# Altium PCB Brake Module PCB.PcbDoc (part 1 of 2)
Units mil, origin at the board's own origin, x right, y up, seen from the top; angles counter-clockwise.
Board outline 3490.03 x 3910.03 mil, 4 copper layers (Top Layer, Int1 (GND), Int2 (PWR), Bottom Layer), stack 53.912 mil thick; 134 components, 95 nets, 478 pads, 228 vias.
Unrouted connection lines stored in the file: 3.
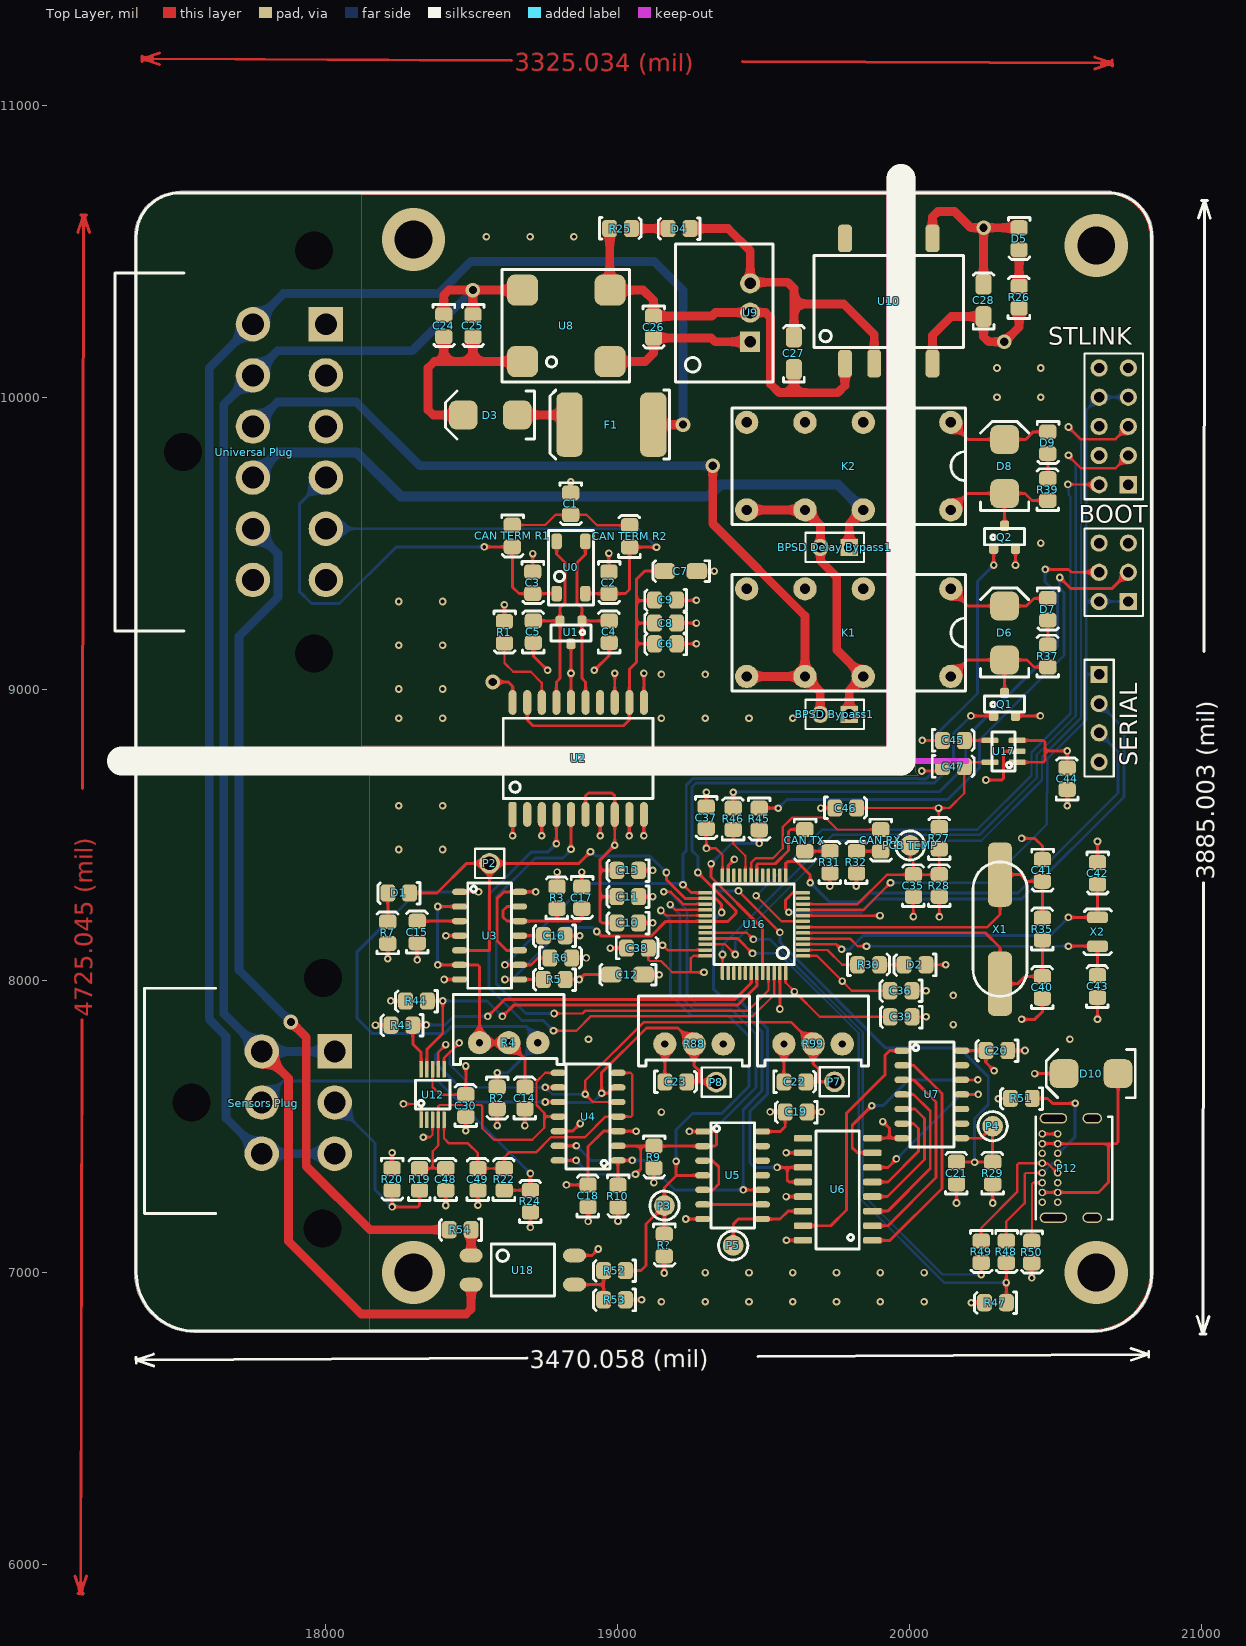
[diagram p0: Top Layer view]
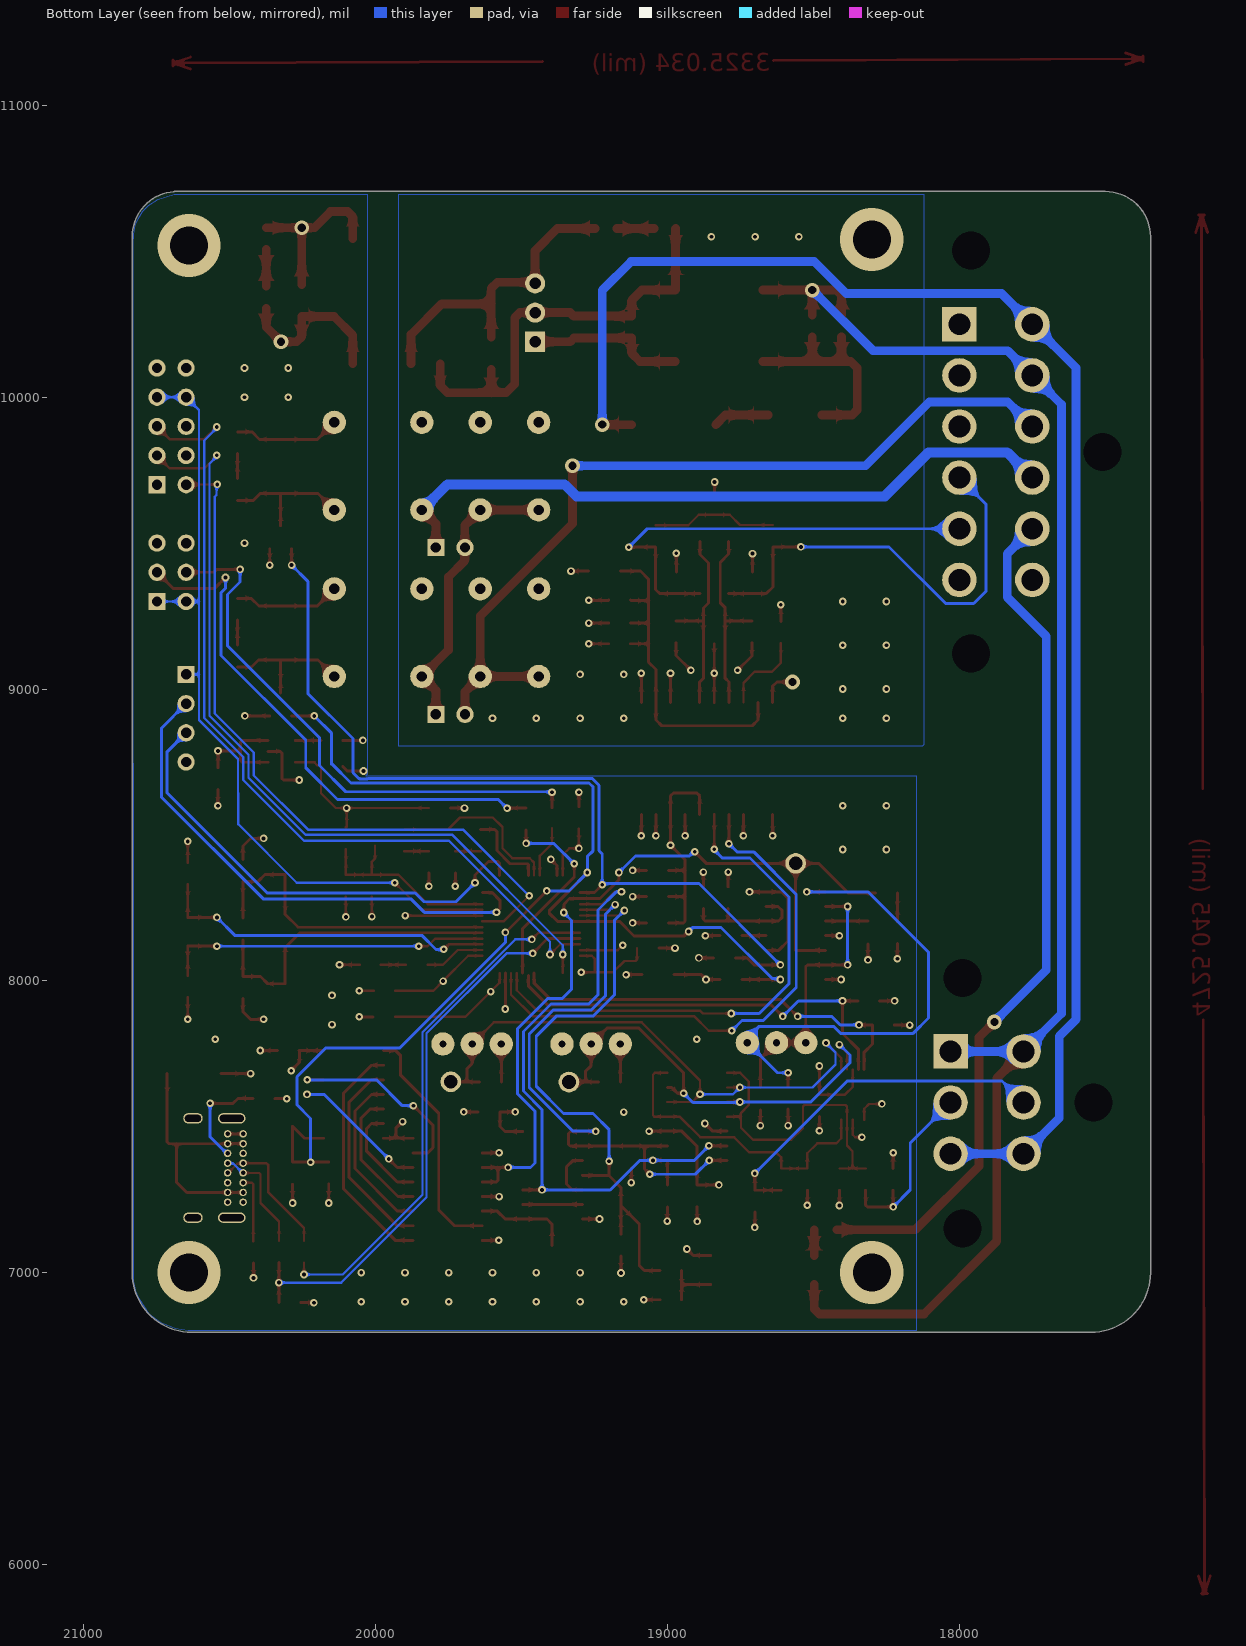
[diagram p1: Bottom Layer view, seen from below]
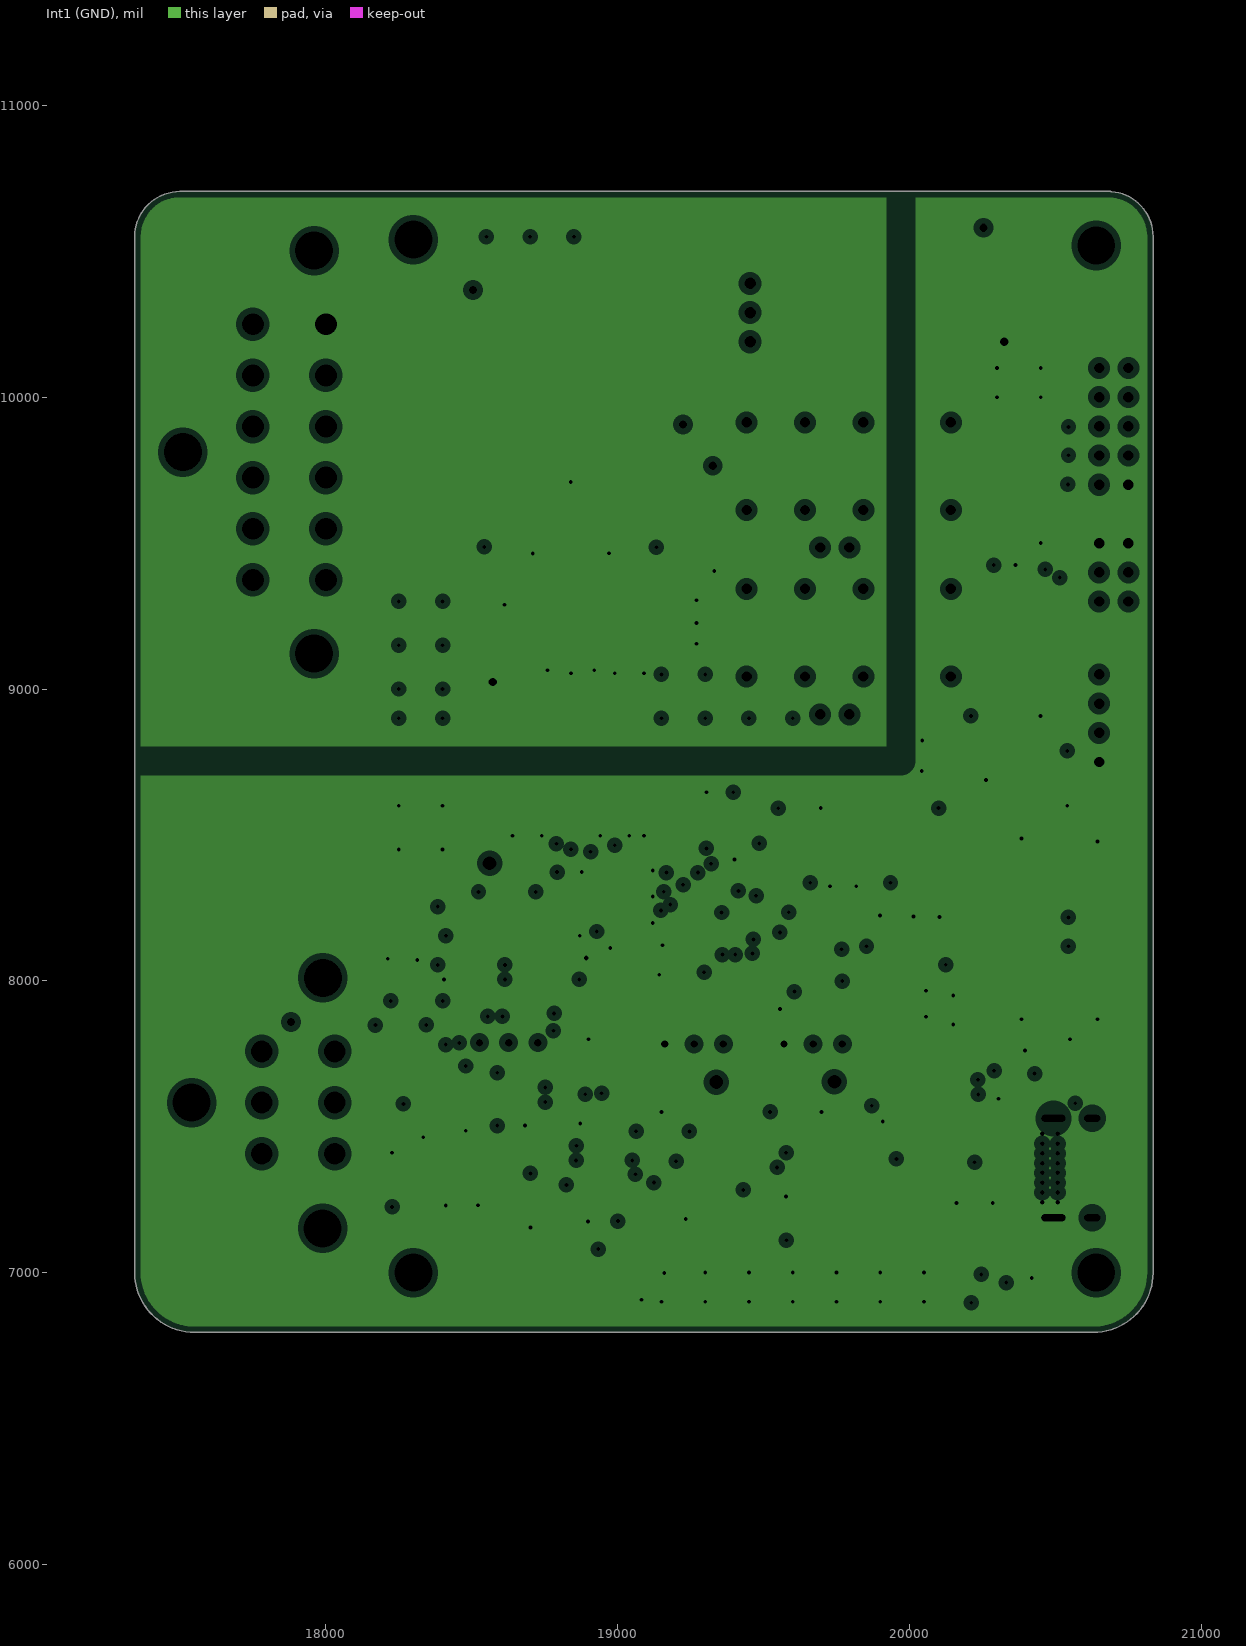
[diagram p2: Int1 (GND), clearances drawn from the general rule]
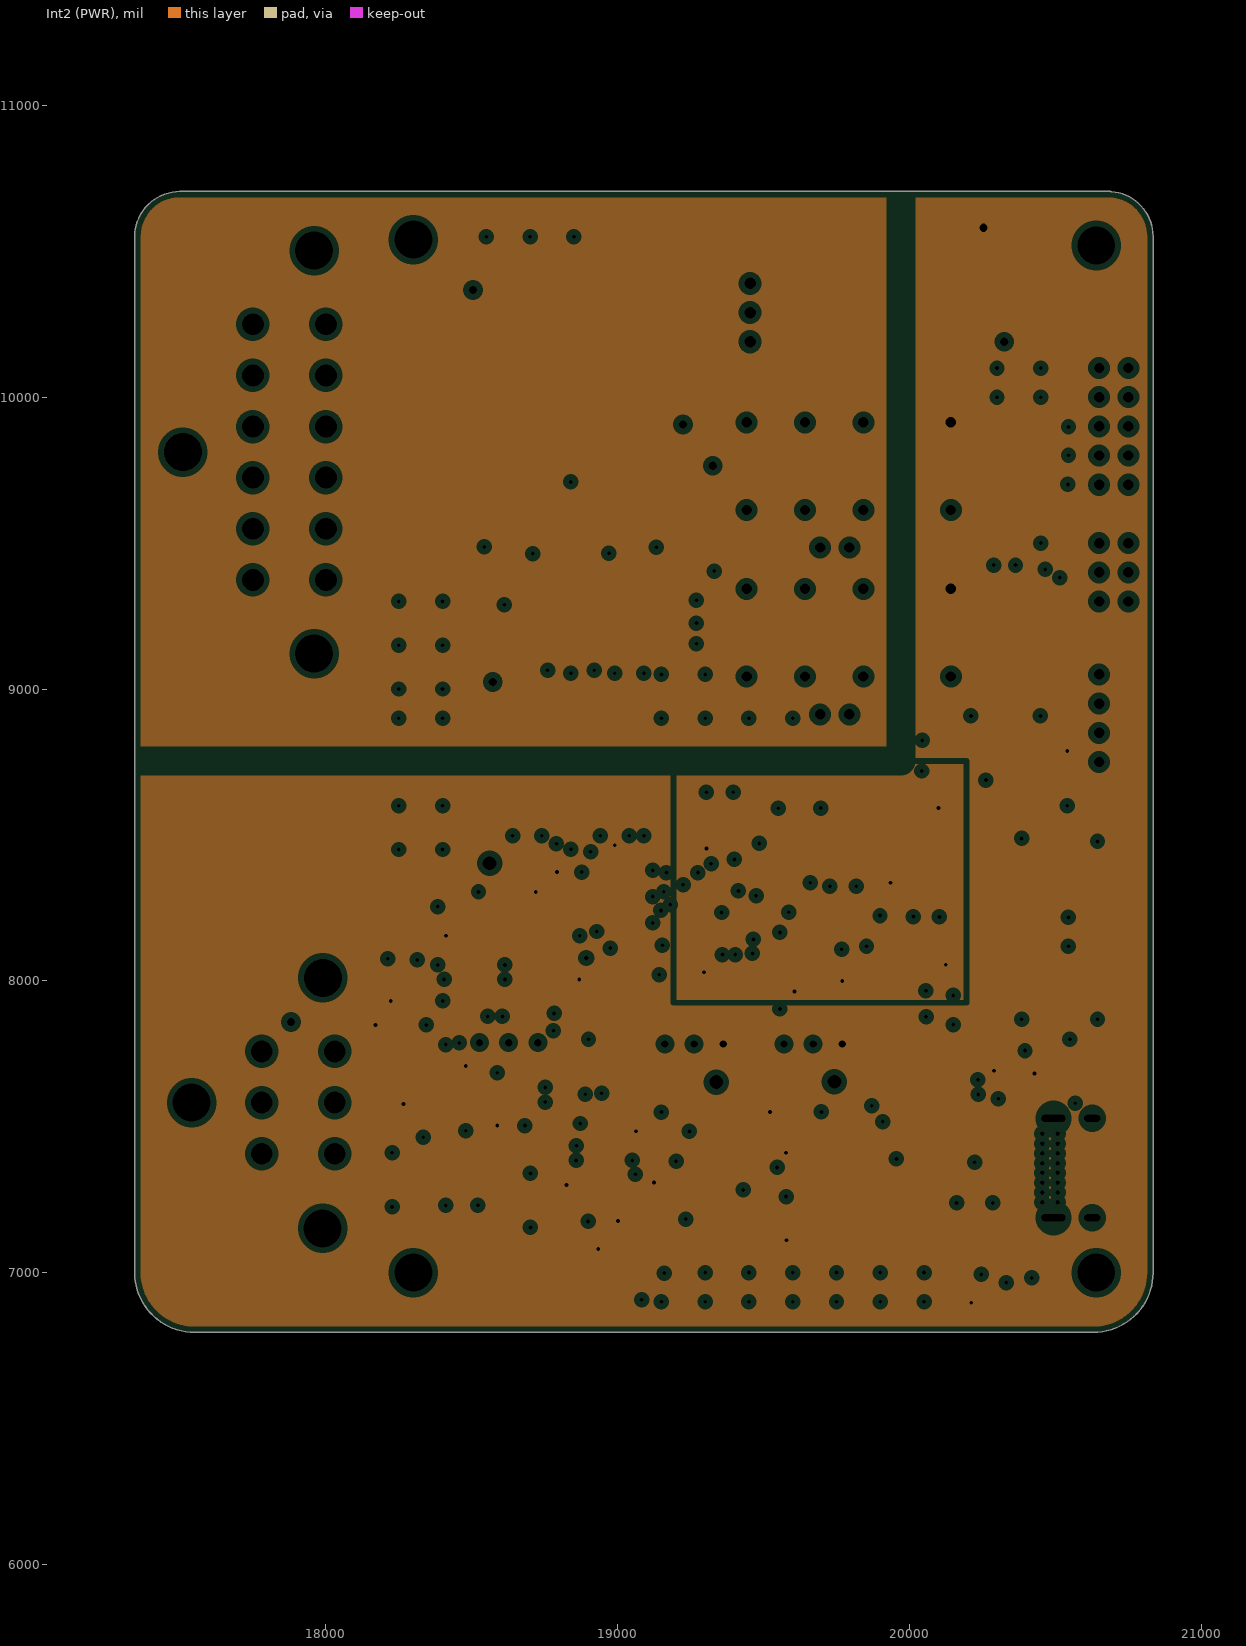
[diagram p3: Int2 (PWR), clearances drawn from the general rule]

## Layer stack, top to bottom
Top Solder: solder mask 1, SM-001, Dk 4
Top Layer: signal copper 1.378
Dielectric 1: prepreg 5.1, PP-017, Dk 4.3
Dielectric 2: prepreg 5.1, PP-017, Dk 4.3
Int1 (GND): plane copper 1.378, net (Multiple Nets)
Dielectric 3: core 28, Core-039, Dk 4.8
Int2 (PWR): plane copper 1.378, net (Multiple Nets)
Dielectric 4: prepreg 5.1, PP-017, Dk 4.3
Dielectric 5: prepreg 5.1, PP-017, Dk 4.3
Bottom Layer: signal copper 1.378
Bottom Solder: solder mask 1, SM-001, Dk 4

## Board outline
17344.99,7000 17344.98,10550 cw(c17350,10550) 17344.99,10550.05 cw(c17500,10550) 17500,10705.01 20690,10705.01 cw(c20690,10700) 20692.13,10704.54 cw(c20680,10550) 20835.01,10550 cw(c20830,10550) 20835.01,10549.96 20835.01,7000 cw(c20630,7000) 20630,6794.98 17550,6794.98 cw(c17550,6800) 17549.94,6794.98 cw(c17550,7000)

## Design rules (kind name [scope] priority, off if disabled: settings)
Clearance [All] p1: gap=10 ignorepadtopadclearanceinfootprint=FALSE except(0: Arc-Arc Arc-Track Arc-Hole Track-Track Track-Hole SMDPad-Hole THPad-Hole Via-Hole Fill-Hole Poly-Hole Region-Hole Text-Hole; 4: SMDPad-SMDPad; 6: Arc-SMDPad Track-SMDPad THPad-THPad; 8: Arc-THPad Track-THPad SMDPad-THPad)
Height [All] p1: minheight=0 maxheight=1968.5 prefheight=500
PlaneClearance [All] p1: clearance=20
PlaneConnect [All] p1: planeconnectstyle=Relief reliefexpansion=20 reliefentries=4 reliefconductorwidth=31.5 reliefairgap=10
PolygonConnect [All] p1: connectstyle=Relief reliefconductorwidth=31.5 reliefentries=4 polygonreliefangle="90 Angle" airgapwidth=10
RoutingVias [All] p1: holewidth=13 width=26 viastyle="Through Hole" minholewidth=8 minwidth=10 maxholewidth=13 maxwidth=26
SolderMaskExpansion [All] p1: expansion=4 istentingtop=FALSE
Width [All] p1: maxlimit=118.11 minlimit=5 preferedwidth=19.68
27 further rules are at their usual default settings.

## Classes and differential pairs
component class U_Isolation: R52 R53 R54 U18
component class "Top Level": "Sensors Plug" "U_Sensor Plug" "Universal Plug"
component class "U_4 Channel ADC": C30 U12
component class U_BSPD: C14 C15 C16 C17 C18 C19 C20 C21 C22 C23 D1 P2 P3 P4 P5 P7 P8 R2 R3 R4 R5 R6 R7 R9 R10 R29 R88 R99 R? U3 U4 U5 U6 U7
component class U_CAN: C1 C2 C3 C4 C5 C6 C7 C8 C9 C10 C11 C12 C13 "CAN TERM R1" "CAN TERM R2" R1 U0 U1 U2
component class "U_Input Filter": C48 C49 R19 R20 R22 R24
component class U_Microcontroller: BOOT C35 C36 C37 C38 C39 C40 C41 C42 C43 C44 C45 C46 C47 "CAN RX" "CAN TX" D2 D10 P12 "PCB TEMP" R27 R28 R30 R31 R32 R35 R43 R44 R45 R46 R47 R48 R49 R50 R51 SERIAL STLINK U16 U17 X1 X2
component class "U_Power Supply": C24 C25 C26 C27 C28 D3 D4 D5 F1 R25 R26 U8 U9 U10
component class "U_Safety Loops": "BPSD Bypass1" "BPSD Delay Bypass1" D6 D7 D8 D9 K1 K2 Q1 Q2 R37 R39

## Components (designator, comment, footprint, x,y, rotation, side; value= is the part's Value field where it differs from the comment)
BOOT "2.54mm" "TH 2.54mm Header 2x3" 20750,9300 r90 top (schematic designator BOOT1)
"BPSD Bypass1" "2.54mm" "TH 2.54mm Header 1x2" 19794,8913.01 r180 top
"BPSD Delay Bypass1" "2.54mm" "TH 2.54mm Header 1x2" 19794,9485 r180 top
C1 "22pF" 0805 18840,9634 r270 top
C2 "100pF" 0805 18971.03,9363.79 r270 top
C3 "100pF" 0805 18710,9363.79 r270 top
C4 "100pF" 0805 18970,9196.44 r90 top
C5 "100pF" 0805 18710,9196.44 r90 top
C6 "100nF" 0805 19163.68,9154 r180 top
C7 "10nF" 1206 19169,9404 r180 top
C8 "10uF" 0805 19163.68,9225 r180 top
C9 "100nF" 0805 19163.68,9304 r180 top
C10 "10uF" 0805 19034,8197.43 r180 top
C11 "100nF" 0805 19034,8287.43 r180 top
C12 "10nF" 1206 18986,8021 r180 top
C13 "100nF" 0805 19034,8377.43 r180 top
C14 "10uF" 0805 18681,7598.71 r90 top
C15 "10pF" 0805 18312.24,8167.61 r90 top
C16 "10pF" 0805 18782.28,8153.5 r180 top
C17 "10uF" 0805 18878.28,8284.54 r270 top
C18 "100nF" 0805 18897.61,7263.54 r90 top
C19 "100nF" 0805 19611.2,7549.5 r180 top
C20 "100nF" 0805 20299,7760 r180 top
C21 "100nF" 0805 20160.28,7341.54 r90 top
C22 "100nF" 0805 19607.75,7654.54 r0 top
C23 "100nF" 0805 19199.75,7654.54 r0 top
C24 "10uF" 0805 18405.03,10244.16 r270 top
C25 "10uF" 0805 18505.03,10244.16 r270 top
C26 "10uF" 0805 19124,10240 r270 top
C27 "22uF" 1206 19604,10197.87 r90 top
C28 "22uF" 1206 20254,10378.78 r90 top
C30 "100nF" 0805 18478.64,7573 r90 top
C35 "100nF" 0805 20012.43,8326.74 r90 top
C36 "1uF" 0805 19970.13,7964.97 r180 top
C37 "100nF" 0805 19304.38,8558.69 r270 top
C38 "100nF" 0805 19068,8113 r0 top
C39 "100nF" 0805 19971.06,7875.43 r180 top
C40 "22pF" 0805 20454.43,7977.87 r90 top
C41 "22pF" 0805 20456.5,8377.87 r270 top
C42 "22pF" 0805 20645.46,8367.87 r270 top
C43 "22pF" 0805 20643.4,7980.94 r90 top
C44 "1uF" 0805 20539.62,8693.07 r90 top
C45 "22uF" 0805 20151,8824.83 r0 top
C46 "100nF" 0805 19782,8593 r0 top
C47 "1uF" 0805 20151,8735 r0 top
C48 "100nF" 0805 18410,7320 r90 top
C49 "100nF" 0805 18520,7320 r90 top
"CAN RX" "Blue" "0805 LED" 19902.43,8480.8 r270 top
"CAN TERM R1" "56R" 0805 18640,9524 r270 top
"CAN TERM R2" "56R" 0805 19040,9524 r90 top
"CAN TX" "Blue" "0805 LED" 19642.43,8480.8 r270 top
D1 "Yellow" "0805 LED" 18249.23,8300 r180 top
D2 "Red" "0805 LED" 20018.43,8053.87 r180 top
D3 "SD560BTR" "SMB Diode" 18646.2,9939 r180 top
D4 "Red" "0805 LED" 19210,10577 r180 top
D5 "Red" "0805 LED" 20376.83,10543 r270 top
D6 "SD560BTR" "SMB Diode" 20326,9109.34 r90 top
D7 "Green" "0805 LED" 20475.24,9272.72 r270 top
D8 "SD560BTR" "SMB Diode" 20326,9680 r90 top
D9 "Green" "0805 LED" 20475.24,9843.39 r270 top
D10 "SD560BTR" "SMB Diode" 20705,7682 r180 top
F1 "0ZCF0100AF2A" 2920 19122.4,9906 r180 top
K1 "V23105A5475A201" "TI 2-DIL" 19792,9193 r180 top
K2 "V23105A5475A201" "TI 2-DIL" 19792,9763.66 r180 top
P2 "0mm" "TH Test Point" 18560.91,8402.54 r0 top
P3 "0mm" "SMD Test Point" 19160.28,7229.54 r0 top
P4 "0mm" "SMD Test Point" 20285.28,7501.54 r90 top
P5 "0mm" "SMD Test Point" 19396,7093 r90 top
P7 "0mm" "TH Test Point" 19743,7654 r270 top
P8 "0mm" "TH Test Point" 19338,7653 r270 top
P12 "USB4085-GF-A" USB4085-GF-A 20613.32,7353.27 r90 top
"PCB TEMP" "0mm" "SMD Test Point" 20002.43,8463.87 r180 top
Q1 "2N7002K" "ON SOT-23 MOSFET" 20326,8947 r0 top
Q2 "2N7002K" "ON SOT-23 MOSFET" 20326,9520 r0 top
R1 "0R" 0805 18613,9194 r270 top
R2 "10k" 0805 18588,7597.77 r270 top
R3 "1M" 0805 18791.28,8285.48 r90 top
R4 "10K (Var)" "B 3296" 18630,7810 r0 top
R5 "20k" 0805 18782.28,8003.5 r180 top
R6 "20k" 0805 18805.28,8079.33 r0 top
R7 "1.5k" 0805 18211.28,8165.48 r90 top
R9 "3.3k" 0805 19125.28,7395.66 r270 top
R10 "3.3k" 0805 19002.03,7261.63 r270 top
R19 "1k" 0805 18320,7320 r90 top
R20 "200R" 0805 18228,7319.06 r270 top
R22 "1k" 0805 18610,7320 r90 top
R24 "200R" 0805 18700,7245.2 r90 top
R25 "680R" 0805 19010,10579.06 r0 top
R26 "510R" 0805 20374.76,10343 r90 top
R27 "10k" 0805 20101.4,8488.87 r90 top
R28 "10K (NTC) (B25/85 3430K)" 0805 20101.4,8326.74 r90 top
R29 "10k" 0805 20284.24,7341.54 r90 top
R30 "510R" 0805 19860.43,8055.94 r0 top
R31 "510R" 0805 19726.4,8406.94 r90 top
R32 "510R" 0805 19817.43,8406.94 r90 top
R35 "10M" 0805 20454.43,8177.87 r90 top
R37 "680R" 0805 20473.17,9113.28 r90 top
R39 "680R" 0805 20473.17,9683.94 r90 top
R43 "5.1k" 0805 18260,7847 r180 top
R44 "5.1k" 0805 18310,7930 r180 top
R45 "10k" 0805 19486.03,8554.09 r270 top
R46 "10k" 0805 19395,8556 r90 top
R47 "1.5k" 0805 20294.1,6896 r180 top
R48 "20R" 0805 20333,7071 r270 top
R49 "20R" 0805 20247,7071 r270 top
R50 "5.1k" 0805 20419.97,7069.87 r270 top
R51 "5.1k" 0805 20383,7596 r180 top
R52 "100R" 0805 18988.74,7005.79 r180 top
R53 "10k" 0805 18988.74,6905.79 r180 top
R54 "680R" 0805 18459.86,7145.97 r180 top
R88 "10K (Var)" "B 3296" 19265.28,7805.54 r0 top
R99 "10K (Var)" "B 3296" 19673.28,7805.54 r0 top
R? "20k" 0805 19160.69,7093.66 r270 top
"Sensors Plug" "DT13-6P" DT13-6P 17382.52,7309.02 r270 top
SERIAL "2.54mm" "TH 2.54mm Header 1x4" 20650,9050 r270 top (schematic designator SERIAL1)